# Altium PCB MOTHER_BOARD_LS1021_v1.0.PcbDoc (part 15 of 15)
Units mm, origin at the board's own origin, x right, y up, seen from the top; angles counter-clockwise.
Board outline 285 x 90.6 mm, 10 copper layers (TOP, GND1, SIGNAL1, GND+PWR1, POWER1, POWER2, GND+PWR2, SIGNAL2, GND2, BOTTOM), stack 1.739 mm thick; 1099 components, 832 nets, 4657 pads, 2737 vias.
Unrouted connection lines stored in the file: 7.
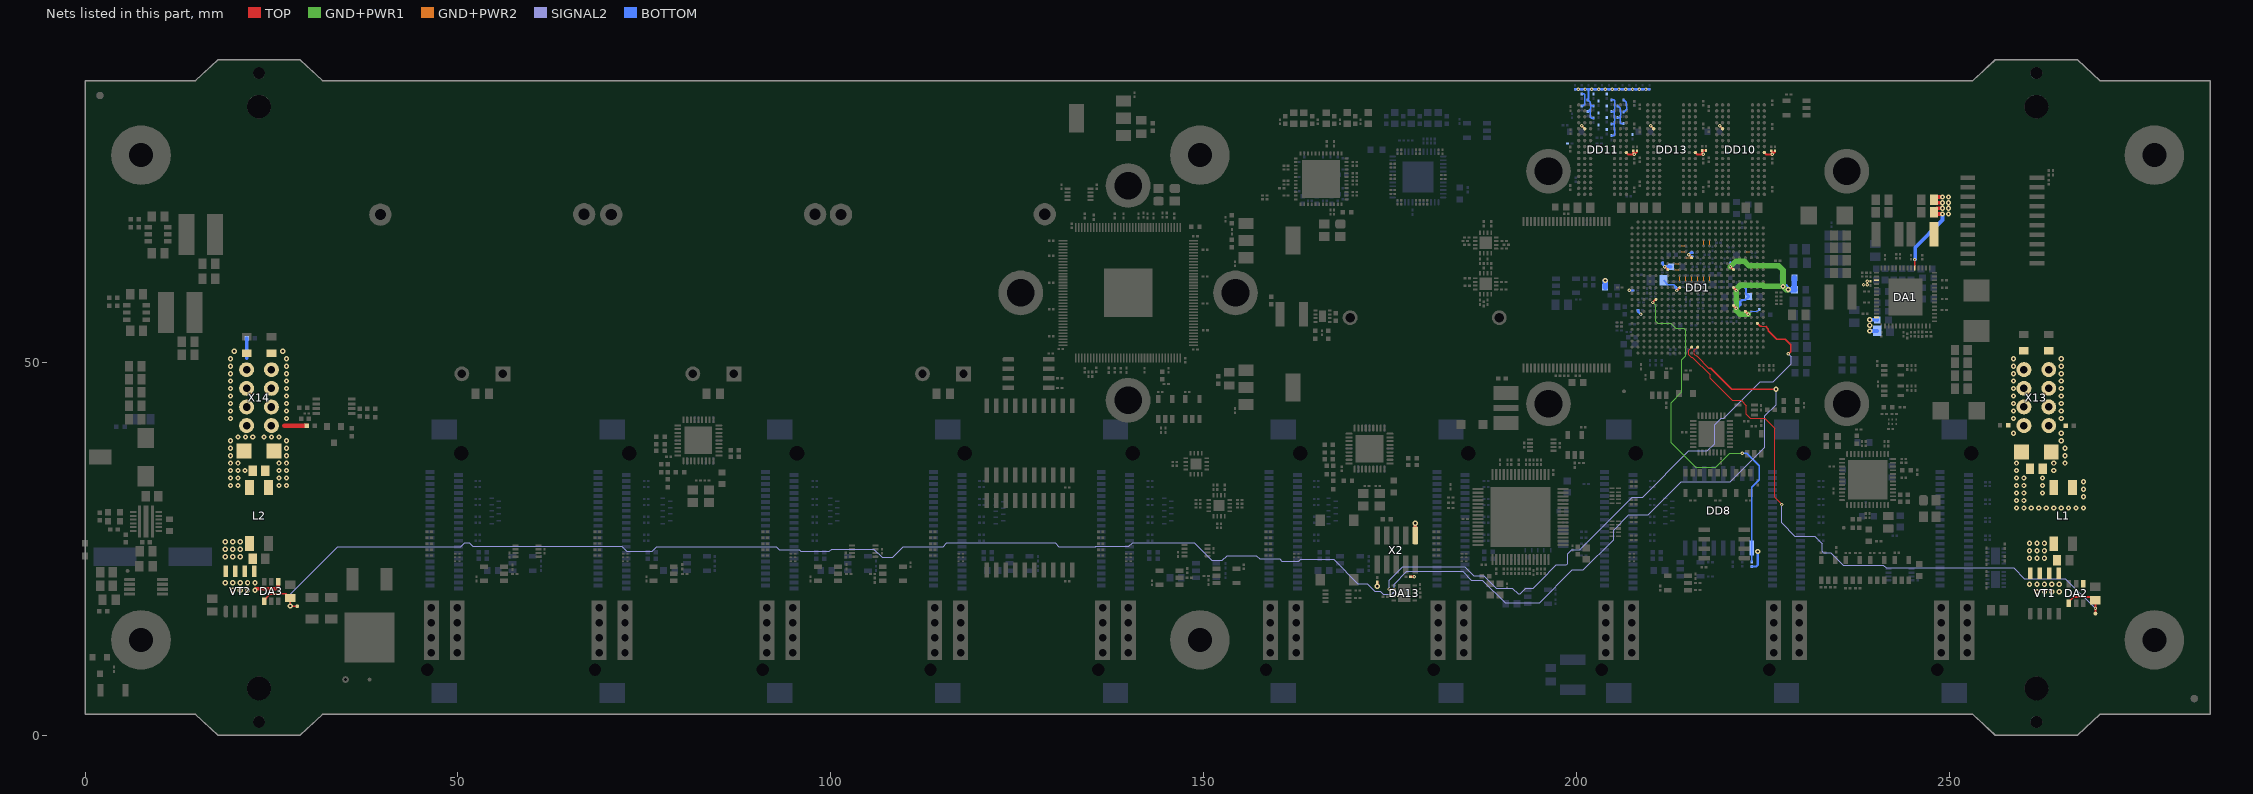
[diagram p23: the nets of this part, all layers, seen from the top]

## Via types
v1: diameter 0.45, hole 0.2, TOP to BOTTOM, tented both sides, 1587 vias
v2: diameter 0.7, hole 0.3, TOP to BOTTOM, tented both sides, 1134 vias
v3: diameter 0.45, hole 0.2, TOP to BOTTOM, tented bottom, 16 vias

## Nets (pads, with @x,y where several pads share a name; then routed paths per layer and width w, separated by ;. In a path a pad name is that pad's centre, name@x,y a point inside that pad or via, vN(x,y) a via of type N, cw(c..) or ccw(c..) an arc to the next point about the centre after c; other vN are vias at no path point) (continued)
VCC_OVDD: C61.2 C93.2 C99.2 C180.2 C188.2 DA1.41 DD1.G15 DD1.J12 R44.2 R46.2 R73.1 R77.1 R85.2 R86.2 R88.2 X2.1 | length 22.5
  TOP w0.3: v2(173.3,19.975) R88.2@173.3,20.575 ; R86.2@177.725,21.275 v1(178.25,21.275) ; v1(211.85,62.85) DD1.G15@212.25,62.45 ; v1(213.45,59.65) DD1.J12@213.85,60.05
  TOP w0.5: X2.1@178.39,26.8 v2(178.39,28.44)
  GND+PWR2 w0.13: 213.175,62.45 213.725,62.45 ; 213.189,63.25 213.739,63.25 ; 213.85,60.975 213.85,61.525 ; 213.975,64.85 214.525,64.85 ; 213.975,65.65 214.525,65.65 ; 214.65,60.975 214.65,61.525 ; 214.75,64.05 215.3,64.05 ; 215.45,60.975 215.45,61.525 ; 216.25,60.975 216.25,61.525 ; 217.05,60.975 217.05,61.525 ; 217.05,65.784 217.05,66.334 ; 217.85,60.975 217.85,61.525 ; 217.85,65.784 217.85,66.334 ; 222.75,64.85 223.3,64.85
  BOTTOM w0.2: C93.2@211.675,61 212.25,60.425 213.033,60.425 213.325,60.133 C99.2@213.325,60.075
  BOTTOM w0.3: v1(207.06,59.678) 207.05,59.668 207.05,59.65 R85.2@207.6,59.65 ; R73.1@208.25,57 208.25,56.85 v1(208.65,56.45) ; C188.2@211.575,63.375 211.575,63.125 v1(211.85,62.85) ; C99.2@213.325,60.075 213.45,59.95 v1(213.45,59.65) ; R77.1@223.5,22.65 224.125,22.65 224.325,22.85 v2(224.325,24.65)
  BOTTOM w0.5: v1(211.85,62.85) R44.2@212.65,62.85 ; v2(239.325,54.225) C180.2@240.35,54.225 ; v2(239.325,55.725) 240.325,55.725 C61.2@240.35,55.7
  BOTTOM w0.75: R46.2@203.85,60.1 v2(203.85,60.975)
  other v2: 239.325,54.975
VIN1: C25.2 DA2.1 L1.3 VT1.5 VT1.6 VT1.7 VT1.8
  other v2: 261.75,19.25 262.75,19.25 263.75,19.25 264.75,19.25 260.75,20.25 261.75,20.25 262.75,20.25 263.75,20.25 264.75,20.25 260.75,23.75 261.75,23.75 262.75,23.75 260.75,24.75 261.75,24.75 262.75,24.75 260.75,25.75 261.75,25.75 262.75,25.75
VIN1+: C14.2 L1.2 R29.2 RU1.2 VD1.2 X13.1
  other v2: 262.5,32.5 262.5,33.5 262.5,34.5 264,35.5 264,36.5 265.5,36.5 265.5,37.5 265.5,38.5 265,39.5 265,40.5 265,42.5 265,43.5 265,44.5 265,45.5 265,46.5 265,47.5 265,48.5 265,49.5 265,50.5
VIN1-: C14.1 L1.1 R31.2 RU2.1 VD1.1 X13.2
  other v2: 259,30.5 260,30.5 261,30.5 262,30.5 263,30.5 264,30.5 265,30.5 266,30.5 267,30.5 268,30.5 259,31.5 260,31.5 268,32 259,32.5 260,32.5 268,33 259,33.5 260,33.5 268,34 259,34.5 260,34.5 259,35.5 259,36.5 258.625,40.5 258.625,42.5 258.625,43.5 258.625,44.5 258.625,45.5 258.625,46.5 258.625,47.5 258.625,48.5 258.625,49.5 258.625,50.5
VIN1_STATE: DA2.4 DD1.L2 R5.1 TP1.1 | length 84.2
  TOP w0.149: DD1.L2@215.45,52.05 215.07,51.67 215.07,51.019 215.371,50.719 215.529,50.719 217.927,48.321 217.927,47.891 220.918,44.9 222.1,44.9 222.775,44.225 222.775,43.025 223.275,42.525 225.25,42.525 226.6,41.175 226.6,31.9 227.525,30.975 v1(227.525,30.95)
  TOP w0.25: DA2.4@266.05,17.725 266.05,17.893 266.707,18.55 269.175,18.55 R5.1@269.6,18.125
  TOP w0.3: TP1.1@269.6,16.325 R5.1@269.6,18.125
  SIGNAL2 w0.149: v1(227.525,30.95) 227.525,28.5 229.3,26.725 231.925,26.725 232.942,25.708 232.942,24.675 233.125,24.492 234.083,24.492 235.751,22.824 241.167,22.824 241.542,22.45 258.625,22.45 260.05,21.025 265.55,21.025 269.55,17.025 v1(269.6,17.025)
VIN2: C26.2 DA3.1 L2.3 VT2.5 VT2.6 VT2.7 VT2.8 | length 3.9
  TOP w0.5: v2(22.8,19.45) 23,19.65 25.575,19.65 25.9,19.975 DA3.1@25.9,20.6
  other v2: 19.8,19.45 20.8,19.45 21.8,19.45 18.8,20.45 19.8,20.45 20.8,20.45 21.8,20.45 22.8,20.45 18.8,23.95 19.8,23.95 20.8,23.95 18.8,24.95 19.8,24.95 20.8,24.95 18.8,25.95 19.8,25.95 20.8,25.95
VIN2+: C15.2 L2.2 R24.2 RU3.2 VD2.2 X14.2 | length 2.7
  BOTTOM w0.5: 21.671,50.564 R24.2@21.671,53.265
  other v2: 19.5,33.5 20.5,33.5 19.5,34.5 20.5,34.5 19.5,35.5 20.5,35.5 21.45,35.5 19.5,36.5 20.5,36.5 19.5,37.5 19.5,38.5 19.5,39.5 20.5,40 21.5,40 22.5,40 19.5,42.5 19.5,43.5 19.5,44.5 19.5,45.5 19.5,46.5 19.5,47.5 19.5,48.5 19.5,49.5 19.5,50.5 20,51.5
VIN2-: C15.1 L2.1 R27.2 RU4.1 VD2.1 X14.1 | length 3
  TOP w0.6: 26.685,41.51 R27.2@29.725,41.51
  other v2: 26,33.5 27,33.5 26,34.5 27,34.5 26,35.5 27,35.5 26,36.5 27,36.5 27,37.5 27,38.5 27,39.5 24,40 25,40 26,40 27,42.5 27,43.5 27,44.5 27,45.5 27,46.5 27,47.5 27,48.5 27,49.5 27,50.5 26.5,51.5
VIN2_STATE: DA3.4 DD1.M2 R6.1 TP2.1 | length 250.3
  TOP w0.149: DD1.M2@216.25,52.05 215.829,51.629 215.829,51.134 216.093,50.87 216.155,50.87 217.775,49.25
  TOP w0.196: DA3.4@24,18 24,18.13 24.797,18.927 25.323,18.927 25.394,18.998 26.902,18.998 R6.1@27.5,18.4 v2(27.501,17.326) v2(27.501,17.326) ; v2@27.502,17.325 TP2.1@28.45,17.325 ; 217.775,49.25 218,49.25 220.85,46.4 v2(226.775,46.4)
  SIGNAL2 w0.113: v2(27.501,17.326) 27.5,18.925 33.893,25.318 50.402,25.318 50.89,25.806 51.519,25.806 52,25.325 72,25.325 72.625,24.7 76.075,24.7 76.675,25.3 92.7,25.3 93.1,24.9 95.784,24.9 96.009,24.675 99.807,24.675 100.107,24.975 105.775,24.975 106.875,23.875 108.3,23.875 109.743,25.318 115.093,25.318 115.581,25.806 130.117,25.806 130.605,25.318 135.508,25.318 135.515,25.325 139.95,25.325 140.475,25.85 148.725,25.85 151.124,23.451 152.501,23.451 153.15,24.1 157.05,24.1 157.5,23.65 160.2,23.65 160.49,23.36 162.76,23.36 163,23.6 167.45,23.6 170.7,20.35 171.925,20.35 172.975,19.3 173.7,19.3 174.093,18.907 175.207,18.907 175.565,19.265 175.565,20.265 177.275,21.975 184.743,21.975 185.893,20.825 187.4,20.825 190.425,17.8 195.075,17.8 199.45,22.175 200.925,22.175 205,26.25 205,27.525 207.031,29.556 209.631,29.556 214.075,34 220.639,34 225.25,38.611 225.25,42.825 226.775,44.35 v2(226.775,46.4) ; v2@27.501,17.251 v2(27.501,17.326)
VREF_DDR: C55.2 C214.2 C215.2 C218.2 C219.2 C222.2 C223.2 C239.2 C243.2 DA1.31 DD1.L17 DD10.H1 DD10.M8 DD11.H1 DD11.M8 DD13.H1 DD13.M8 | length 10.3
  TOP w0.3: v1(200.7,81.75) DD11.M8@201.1,81.35 ; DD11.H1@206.7,78.15 206.95,77.9 v1(207.75,77.9) ; C223.2@207.625,78.375 207.625,78.025 v1(207.75,77.9) ; C219.2@208.125,78.375 208.125,78.275 v1(207.75,77.9) ; v1(209.95,81.75) DD13.M8@210.35,81.35 ; v1(215.05,64.45) DD1.L17@215.45,64.05 ; DD13.H1@215.95,78.15 216.2,77.9 v1(217,77.9) 216.875,78.025 C243.2@216.875,78.425 C239.2@217.375,78.425 ; v1(219.2,81.75) DD10.M8@219.6,81.35 ; DD10.H1@225.2,78.15 225.45,77.9 v1(226.25,77.9) ; C222.2@226.125,78.375 226.25,78.25 v1(226.25,77.9) ; C218.2@226.625,78.375 226.625,78.275 v1(226.25,77.9)
  BOTTOM w0.3: C215.2@215.525,64.2 215.3,64.2 v1(215.05,64.45) 215.3,64.7 C214.2@215.525,64.7
  other v1: 238.5,60.4 238.975,60.4 238.975,60.875
VTT_DDR: C31.2 C35.2 C253.2 C254.2 C255.2 C256.2 C257.2 C258.2 C259.2 C260.2 C261.2 C262.2 C263.2 C264.2 DA1.19 L6.2 R100.2 R101.2 R102.2 R103.2 R104.2 R105.2 R106.2 R107.2 R108.2 R109.2 R110.2 R111.2 R112.2 R113.2 R114.2 R115.2 R116.2 R117.2 R118.2 R119.2 R120.2 R121.2 R122.2 R123.2 R124.2 | length 41.3
  TOP w0.25: DA1.19@245.375,62.65 v1(245.375,63.8)
  TOP w0.5: C31.2@248.3,69.925 v2(249.1,69.925) ; C31.2@248.3,70.675 v2(249.1,70.675) ; C35.2@248.3,71.425 v2(249.1,71.425) ; C35.2@248.3,72.175 v2(249.1,72.175)
  BOTTOM w0.2: R107.2@200.7,84.425 200.912,84.425 201.125,84.638 201.125,85.9 201,86.025 R111.2@200.7,86.025 ; R101.2@201.5,83.625 201.576,83.625 201.875,83.924 ; R109.2@201.5,85.225 201.533,85.225 201.85,84.908 201.85,84.724 201.925,84.649 201.925,84.428 ; R118.2@202.3,82.775 202.05,82.775 201.875,82.95 201.875,83.924 ; R104.2@202.3,84.425 201.928,84.425 201.925,84.428 ; R119.2@204.7,80.425 204.975,80.425 205.125,80.575 205.125,81.126 205.075,81.176 205.075,82.324 205.125,82.374 205.125,82.726 205.075,82.776 205.075,83.635 ; R121.2@204.7,82 205.073,82 ; R103.2@204.7,83.625 205.065,83.625 205.075,83.635 ; R112.2@204.7,85.225 204.975,85.225 205.125,85.075 205.125,83.974 205.075,83.924 205.075,83.635 ; R100.2@205.5,82.825 205.874,82.825 ; R108.2@205.5,84.425 205.533,84.425 205.85,84.108 205.85,84.075 205.85,83.601 205.925,83.526 205.925,83.174 205.875,83.124 205.875,82.175 206.025,82.025 R122.2@206.3,82.025 ; R106.2@206.3,83.6 206.4,83.6 206.725,83.925 206.725,84.326 206.65,84.401 206.65,84.875 206.65,84.908 206.333,85.225 R110.2@206.3,85.225 ; 201.875,83.924 201.925,83.974 201.925,84.428
  BOTTOM w0.3: C253.2@199.8,86.625 v1(200.25,86.625) C254.2@200.7,86.625 v1(201.15,86.625) C255.2@201.625,86.625 ; R109.2@201.5,85.225 201.625,85.35 C255.2@201.625,86.625 ; C264.2@209.8,86.625 v1(209.325,86.625) C263.2@208.875,86.625 v1(208.425,86.625) C262.2@207.975,86.625 v1(207.525,86.625) C261.2@207.075,86.625 v1(206.625,86.625) C260.2@206.175,86.625 v1(205.7,86.625) C259.2@205.25,86.625 v1(204.8,86.625) C258.2@204.35,86.625 v1(203.875,86.625) C257.2@203.425,86.625 v1(202.975,86.625) C256.2@202.525,86.625 v1(202.075,86.625) C255.2@201.625,86.625
  BOTTOM w0.5: v1(245.375,63.8) 245.45,63.875 245.45,65.45 249.1,69.1 v2(249.1,69.925)
  other v2: 249.9,69.925 249.9,70.675 249.9,71.425 249.9,72.175
WDT_CLK: DD1.E10 DD8.1 R77.2 | length 51.6
  TOP w0.25: v1(210.25,58.05) DD1.E10@210.65,58.45
  GND+PWR1 w0.113: v1(210.25,58.05) 210.631,57.668 210.631,55.529 210.892,55.268 212.632,55.268 213.325,54.575 214.362,54.575 214.65,54.287 214.65,50.875 214.143,50.368 214.143,46.068 212.7,44.625 212.7,39.25 215.987,35.963 218.714,35.963 220.578,37.827 v1(222.236,37.827)
  BOTTOM w0.196: v1(222.236,37.827) 222.848,37.827 224.5,36.175 224.5,34.296 223.502,33.298 223.502,25.107 DD8.1@223.495,25.1 223.495,23.255 R77.2@223.5,23.25
WDT_RESET: DA13.7 DD1.AB6 | length 81.8
  TOP w0.14: 224.877,54.85 225.36,54.85
  TOP w0.149: v1(174.9,19.575) DA13.7@175.525,19.575
  TOP w0.196: 225.36,54.85 225.75,54.46 225.75,54.225 226.875,53.1 228.025,53.1 228.75,52.375 228.75,51.45 228.452,51.152 v1(228.411,51.152)
  TOP w0.2: DD1.AB6@224.25,55.25 224.65,54.85 224.877,54.85
  SIGNAL2 w0.113: v1(174.9,19.575) 174.9,20.814 176.686,22.6 185,22.6 186.203,21.397 187.562,21.397 189.222,19.737 191.416,19.737 192.165,18.988 192.481,18.988 193.23,19.737 194.187,19.737 195.184,20.734 195.184,20.748 197.285,22.85 198.65,22.85 198.825,23.025 198.825,24.341 199.359,24.875 200.435,24.875 207.516,31.956 208.881,31.956 215.075,38.15 217.55,38.15 218.525,39.125 218.525,41.614 219.411,42.5 219.775,42.5 224.675,47.4 226.4,47.4 228.825,49.825 228.825,50.739 v1(228.411,51.152)
X1VDD: C122.2 C129.2 C143.2 C156.2 C168.2 C176.2 DD1.V9 DD1.V12 DD1.V15 DD1.Y8 L16.1 R213.2 | length 35.9
  TOP w0.3: v1(220.65,62.85) DD1.V15@221.05,62.45 ; DD1.V9@221.05,57.65 v1(221.45,57.25) ; DD1.V12@221.05,60.05 v1(221.45,59.65) ; DD1.Y8@222.65,56.85 v1(223.05,56.45)
  GND+PWR1 w0.75: v1(220.65,62.85) 221.35,63.55 222.54,63.55 223.14,62.95 227.125,62.95 227.7,62.375 v2(227.7,60.2) ; v1(223.05,56.45) 221.95,56.45 221.45,56.95 v1(221.45,57.25) v1(221.45,59.65) 221.45,59.84 221.96,60.35 225.025,60.35 225.175,60.2 v2(227.7,60.2) ; v2(228.393,59.775) 228.125,59.775 v2(227.7,60.2)
  BOTTOM w0.14: v1(223.05,56.45) 223.445,56.845 224.245,56.845 224.395,56.995 224.42,56.995 224.5,57.075 C122.2@224.5,57.1
  BOTTOM w0.3: v1(220.65,62.85) C143.2@220.65,63.375 ; v1(221.45,57.25) 221.525,57.25 221.975,57.7 C129.2@221.975,57.775 221.975,58.15 222.2,58.375 222.65,58.375 223.125,58.85 222.725,59.25 222.725,59.925 C168.2@222.2,60.45 221.925,60.175 C156.2@221.45,60.175 v1(221.45,59.65)
  BOTTOM w0.75: v2(227.7,60.2) 227.968,60.2 v2(228.393,59.775) L16.1@229.225,59.775 ; L16.1@229.225,59.75 L16.1@229.225,59.775 ; R213.2@229.225,61.35 L16.1@229.225,59.775 ; L16.1@229.25,59.775 L16.1@229.225,59.775
pads on no net: "Designator11.WA-SMSI M2.5" "Designator12.WA-SMSI M2.5" "Designator13.WA-SMSI M2.5" "Designator14.WA-SMSI M2.5" "Designator16.WA-SMSI M2.5" "Designator17.WA-SMSI M2.5" "Designator18.WA-SMSI M2.5" "Designator19.WA-SMSI M2.5" BQ1.2 BQ1.4 BQ2.2 BQ2.4 BQ3.2 BQ3.4 BQ5.2 BQ5.4 BQ6.2 BQ6.4 C80.3 C80.4 C84.3 C84.4 C87.3 C87.4 DA1.0 DA1.1 DA1.2 DA1.3 DA1.6 DA1.16 DA1.33 DA1.42 DA1.44 DA1.45 DA1.46 DA4.2 DA4.6 DA4.7 DA5.0 DA5.4 DA5.5 DA6.4 DA7.4 DA8.4 DA13.0 DA22.3 DD1.A2 DD1.A4 DD1.A17 DD1.AB23 DD1.B2 DD1.B4 DD1.B17 DD1.C8 DD1.C9 DD1.C10 DD1.C11 DD1.C12 DD1.C13 DD1.C14 DD1.C15 DD1.C18 DD1.D8 DD1.D9 DD1.D11 DD1.D12 DD1.D13 DD1.D15 DD1.D16 DD1.E13 DD1.E14 DD1.F13 DD1.F18 DD1.F19 DD1.G14 DD1.G16 DD1.G17 DD1.G18 DD1.H1 DD1.H2 DD1.H16 DD1.H19 DD1.J17 DD1.L6 DD1.M6 DD1.N17 DD1.P1 DD1.P2 DD1.P3 DD1.P5 DD1.R19 DD1.T10 DD1.T18 DD1.U7 DD1.U15 DD1.U16 DD1.U17 DD1.U18 DD1.U22 DD1.V7 DD1.V8 DD1.V16 DD1.V17 DD1.W8 DD1.W10 DD1.W11 DD1.W16 DD1.W17 DD1.W22 DD1.W23 DD1.Y10 DD1.Y11 DD1.Y16 DD2.0 DD2.4 DD2.5 DD2.6 DD2.10 DD2.17 DD2.18 DD2.25 DD2.26 DD2.29 DD2.30 DD2.31 DD2.32 DD2.35 DD2.36 DD2.37 DD2.38 DD3.1 DD4.1 DD5.1 DD8.4 DD10.J1 DD10.J9 DD10.L1 DD10.L9 DD11.A2 DD11.A3 DD11.A7 DD11.B7 DD11.B8 DD11.C2 DD11.C3 DD11.C7 DD11.C8 DD11.D3 DD11.D7 DD11.G2 DD11.H3 DD11.H7 DD11.H8 DD11.J1 DD11.J9 DD11.L1 DD11.L9 DD12.1 DD13.J1 DD13.J9 DD13.L1 DD13.L9 DD14.1 DD14.2 DD14.3 DD14.4 DD14.5 DD14.11 DD14.14 DD14.15 DD14.20 DD14.21 DD14.22 DD14.23 DD14.24 DD14.26 DD14.27 DD14.28 DD14.33 DD14.35 DD14.38 DD14.40 DD14.45 DD14.46 DD14.47 DD15.0 DD15.11 DD16.0 DD16.11 DD17.0 DD17.8 DD17.15 DD17.16 DD17.24 DD17.25 DD18.1 DD24.0 DD24.14 DD24.18 DD24.31 DD24.39 DD24.40 DD24.45 DD24.46 DD24.47 DD25.1 DD26.1 DD27.1 DD28.1 DD29.17 DD30.17 DD34.3 DD34.10 DD34.11 DD34.13 DD34.15 DD34.22 DD34.23 DD34.25 DD34.26 DD34.27 DD34.28 DD34.29 DD34.35 DD34.77 DD34.78 DD34.79 DD34.83 DD36.0 DD36.38 DD36.41 DD36.43 DD46.11 Designator1.1 Designator1.2 F1.2 VD5.3 VD5.5 VD6.3 VD6.5 VD7.3 VD7.5 VD8.3 VD8.5 VD9.3 VD9.5 VD10.3 VD10.5 VD11.3 VD11.5 VD12.3 VD12.5 VD24.2 VD24.4 VD24.6 VD24.8 VD24.10 VD25.1 VD25.2 VD25.3 VD25.4 VD25.6 VD25.8 VD25.10 X2.7 X3.0 X3.MO X4.0 X4.MO X5.0 X5.3 X5.MO X6.0 X6.MO X7.0 X7.MO X8.0 X8.MO X9.0 X9.MO X10.0 X10.MO X11.0 X11.MO X12.0 X12.MO

## Polygon pours and split planes (outlines as drawn)
GND on GND+PWR1 "GND_L04_P038" (solid, remove dead copper, pour order 38): 45 vertices, not listed, extent 0.4,15.85 284.6,90.2
+LVDD on GND+PWR1 "+LVDD_L04_P020" (solid, remove dead copper, pour order 20): 160.225,84.25 160.225,52.075 139.85,31.7 60.95,31.7 57.95,28.675 57.95,18.975 243.375,18.926 243.375,84.25 178.051,84.25
VCC_O1VDD on GND+PWR1 "VCC_O1VDD_L04_P015" (solid, remove dead copper, pour order 15): 27 vertices, not listed, extent 167.561,17.522 251.386,87.422
+5V on GND+PWR2 "+5V_L07_P016" (solid, remove dead copper, pour order 16): 44 vertices, not listed, extent 0.4,16.225 284.6,90.2
VCC_OVDD on GND+PWR2 "VCC_OVDD_L07_P013" (solid, remove dead copper, pour order 13): 24 vertices, not listed, extent 172.225,19.525 255.225,68.1
GND on BOTTOM "GND_L10_P042" (solid, remove dead copper, pour order 42): 45 vertices, not listed, extent 0.4,15.85 284.6,90.2
VTT_DDR on BOTTOM "VTT_DDR_L10_P014" (solid, remove dead copper, pour order 14): 212.125,86.8 212.125,79.05 208.95,75.875 201.35,75.875 196.725,80.5 196.725,83.875 199.65,86.8
GND on SIGNAL1 "GND_L03_P024" (solid, remove dead copper, pour order 24): 45 vertices, not listed, extent 0.4,15.85 284.6,90.2
GND on SIGNAL2 "GND_L08_P040" (solid, remove dead copper, pour order 40): 45 vertices, not listed, extent 0.4,15.85 284.6,90.2
GND on TOP "GND_L01_P028" (solid, remove dead copper, pour order 28): 45 vertices, not listed, extent 0.4,15.85 284.6,90.2
GND on GND1 (split plane): 134 vertices, not listed, extent 0.402,15.852 284.598,90.198
AGND on GND1 (split plane): 128 vertices, not listed, extent 0.402,0.402 284.598,52.198
SHIELD on GND1 (split plane): 51 vertices, not listed, extent 197.152,0.402 284.598,19.437
+1V8 on POWER1 (split plane): 124 vertices, not listed, extent 141.318,27.652 248.673,85.798
PVIN on POWER1 (split plane): 144 vertices, not listed, extent 0.402,0.402 284.598,67.998
+3V3 on POWER1 (split plane): 151 vertices, not listed, extent 0.402,15.852 284.598,90.198
+1V5 on POWER1 (split plane): 26 vertices, not listed, extent 129.727,49.177 153.198,69.723
P0_AVDDH on POWER1 (split plane): 20 vertices, not listed, extent 166.258,70.052 170.748,81.673
P0_DVDDL on POWER1 (split plane): 20 vertices, not listed, extent 161.177,70.052 168.598,81.673
+CPU_VDDC on POWER1 (split plane): 48 vertices, not listed, extent 213.152,49.752 240.523,74.656
SHIELD on POWER1 (split plane): 51 vertices, not listed, extent 197.152,0.402 284.598,19.437
NetC191_2 on POWER1 (split plane): 244.073,37.008 244.073,29.842 243.77,29.539 237.88,29.539 234.052,33.367 234.052,36.858 236.242,39.048 242.033,39.048
eth_1V8 on POWER1 (split plane): 177.773,71.892 176.953,71.072 176.931,71.039 176.923,71 176.923,69.777 175.917,69.777 175.377,70.317 175.377,81.823 177.773,81.823
eth_AVDDH on POWER1 (split plane): 175.173,72.687 173.408,72.687 173.227,72.867 173.227,81.358 173.692,81.823 175.173,81.823
eth_DVDDH on POWER1 (split plane): 180.584,81.697 185.998,76.283 185.998,71.592 183.108,68.702 177.127,68.702 177.127,69.675 177.127,70.958 177.947,71.778 177.969,71.811 177.977,71.85 177.977,81.823 180.458,81.823
VCC_DDR on POWER1 (split plane): 41 vertices, not listed, extent 193.552,57.727 238.548,86.348
+1V1 on POWER2 (split plane): 61 vertices, not listed, extent 131.152,49.352 182.219,87.398
PVIN on POWER2 (split plane): 144 vertices, not listed, extent 0.402,0.402 284.598,67.998
+2V5 on POWER2 (split plane): 266 vertices, not listed, extent 0.402,15.852 284.598,90.198
P0_DVDDH on POWER2 (split plane): 168.798,70.759 168.091,70.052 161.992,70.052 161.077,70.967 161.077,76.9 161.069,76.939 161.047,76.972 159.802,78.217 159.802,81.558 160.092,81.848 168.798,81.848
P0_AVDDL on POWER2 (split plane): 172.048,81.083 172.048,73.567 171.317,72.836 169.002,72.836 169.002,81.848 171.283,81.848
eth_1V0 on POWER2 (split plane): 183.573,81.283 183.573,72.392 181.233,70.052 176.667,70.052 174.052,72.667 174.052,79.183 176.792,81.923 182.933,81.923
HDMI_DVDD on POWER2 (split plane): 198.573,33.608 198.573,22.542 196.283,20.252 188.292,20.252 187.697,20.847 186.777,21.767 186.777,33.733 188.192,35.148 197.033,35.148
SHIELD on POWER2 (split plane): 51 vertices, not listed, extent 197.152,0.402 284.598,19.437
+CPU_VDD on POWER2 (split plane): 24 vertices, not listed, extent 213.927,44.427 255.406,63.148
TA_BB_VDD on POWER2 (split plane): 17 vertices, not listed, extent 218.702,51.602 228.773,55.948
VREF_DDR on POWER2 (split plane): 18 vertices, not listed, extent 198.954,59.327 247.749,82.848
VTT_DDR on POWER2 (split plane): 251.073,68.942 250.833,68.702 246.567,68.702 246.227,69.042 246.227,73.925 246.219,73.964 246.197,73.997 237.172,83.022 237.139,83.044 237.1,83.052 198.954,83.052 198.954,87.398 251.073,87.398
GND on GND2 (split plane): 134 vertices, not listed, extent 0.402,15.852 284.598,90.198
AGND on GND2 (split plane): 128 vertices, not listed, extent 0.402,0.402 284.598,52.198
SHIELD on GND2 (split plane): 51 vertices, not listed, extent 197.152,0.402 284.598,19.437

## Keep-outs
Keep-Out Layer:
  the board outline again, w0.1

## Other copper
TOP:
  rectangle net +3V3: 7.025,38.5 9.225,50.2
  rectangle net +3V3: 9.6,42 11.575,50.2
  rectangle net VCC_DDR: 232.3,61.55 233.125,67.7
  rectangle net +2V5: 16,50.1 17.425,53.65
  rectangle net +5V: 18.775,60.325 20.2,63.875
  rectangle net +5V: 166.975,57.5 168.5,58.975
  rectangle net VTT_DDR: 248.725,69.55 250.275,72.55
  rectangle net +CPU_VDD: 253.875,45.675 255.6,52.475
  rectangle net +1V5: 151.65,66.025 153.15,67.525
  rectangle net +1V1: 157.95,54.775 159.45,57.125
  region net +CPU_VDDC: 239.4,72.55 237.85,72.55 237.85,69.55 239.4,69.55
  rectangle net +1V8: 149.925,45.45 151.425,47.675
  rectangle net HDMI_5V: 186.811,40.943 192.25,42.309
  rectangle net HDMI_DVDD: 187.797,21.671 188.798,22.573
  rectangle net USB1_VBUS: 167.1,33.825 167.7,35.325
  rectangle net USB_ULPI_PWR: 77.85,34.05 78.45,35.55
  rectangle net GND: 0.425,37.775 3.575,40.675
  region net AGND: 3.575,37 0.45,37 0.45,33.925 3.575,33.925
  pour cut-out: 0.5,85.8 ccw(c2,85.8) 2,84.3 ccw(c2,85.8) 3.5,85.8 ccw(c2,85.8) 2,87.3 ccw(c2,85.8)
  pour cut-out: 281.35,4.925 ccw(c282.85,4.925) 282.85,3.425 ccw(c282.85,4.925) 284.35,4.925 ccw(c282.85,4.925) 282.85,6.425 ccw(c282.85,4.925)
  region net +3V3: 197.25,49.875 197.5,49.875 197.5,48.025 198.125,47.4 198.575,47.4 198.75,47.575 198.75,48.075 198.75,49.875 199.05,49.875 199.05,48.625 199.15,48.525 199.7,48.525 199.75,48.575 199.75,49.875 200.05,49.875 200.05,47.075 199.9,46.925 198.25,46.925 197.05,48.125 197.05,48.425 197.25,48.625
  region net VCC_DDR: 234.45,57.125 234.45,60.65 235.1,61.3 235.1,67.725 233.3,67.725 233.3,57.125
  region net +2V5: 13.6,59.45 13.6,53.975 14.125,53.45 14.125,50.1 15.75,50.1 15.75,59.45
  region net AGND: 25.25,20.1 25.25,21.375 26.6,21.375 26.6,26.325 26.2,26.725 24.025,26.725 23.675,26.375 23.675,20.1
  region net AGND: 7.875,23.975 3.425,23.975 3.075,24.325 3.075,27.9 3.675,27.9 3.675,27.1 4.45,26.325 5.8,26.325 6.4,26.925 6.7,26.925 7.125,27.35 7.125,29.275 6.025,29.275 6.025,29.575 7.125,29.575 7.125,30.15 6.65,30.625 4.625,30.625 4.625,32.425 6.875,32.425 7,32.3 7,31.35 7.525,30.825 7.525,26.55 7.875,26.2
  region net AGND: 114.725,45.1 114.725,48.475 113.6,49.6 111.375,49.6 111.05,49.275 111.05,45.975 111.925,45.1
  region net NetC80_2: 84.6,45.1 84.6,48.45 85.75,49.6 88.05,49.6 88.175,49.475 88.175,45.675 87.6,45.1
  region net NetC80_2: 52.925,45.1 52.925,48.475 51.8,49.6 49.575,49.6 49.25,49.275 49.25,45.975 50.125,45.1
  region net AGND: 267.3,19.825 267.3,21.175 268.55,21.175 268.55,26.125 267.975,26.7 265.9,26.7 265.625,26.425 265.625,19.825
  region net PVIN: 9.225,30.825 9.225,27.75 9.4,27.575 10.3,27.575 10.3,27.1 10.9,26.5 15.675,26.5 16.125,26.05 16.125,17.4 16.375,17.15 17.75,17.15 18.025,17.425 18.075,17.375 21.725,17.375 21.725,15.825 21.95,15.6 24.625,15.6 25.6,16.575 25.6,18.5 26.2,18.5 26.2,16.575 26.575,16.2 41.5,16.2 41.5,8.9 13.4,8.9 11.925,10.375 11.925,20.175 11.4,20.7 9.2,20.7 8.175,21.725 8.175,25.975 8.375,26.175 8.475,26.175 8.825,26.525 8.825,30.825
  region net PVIN: 11.925,67.825 11.925,72.65 11.4,73.175 1.525,73.175 0.475,72.125 0.475,60.3 0.6,60.175 4.825,60.175 5.625,60.975 6.55,60.975 7.2,60.325 7.2,57.85 7.7,57.35 8.7,57.35 9.125,57.775 9.125,62.6 5.2,66.525 5.2,70.625 10.075,70.625 10.075,67.825
  region net PVIN: 263.725,15.525 264.15,15.1 266.4,15.1 267.65,16.35 267.65,18.225 268.25,18.225 268.25,12.625 267.725,12.1 257,12.1 256.675,12.425 256.675,17.675 256.875,17.875 263.25,17.875 263.725,17.4
  region net +5V: 16.375,69.95 16.375,64.2 16.9,63.675 16.9,60.325 18.525,60.325 18.525,69.95
  region net +5V: 156.675,43.6 156.675,45.3 151.65,45.3 151.65,44.225 154.675,44.225 154.675,43.6
  region net +5V: 166.65,57.075 168.025,57.075 168.025,56.325 166.65,56.325
  region net +5V: 156.675,63.3 156.675,64.9 151.65,64.9 151.65,63.925 154.675,63.925 154.675,63.3
  region net +5V: 138.275,85.8 138.275,84.1 143.3,84.1 143.3,85.175 140.275,85.175 140.275,85.8
  region net VTT_DDR: 248.55,65.525 248.5,65.575 248.5,72.525 247.337,72.525 247.337,65.525
  region net +CPU_VDD: 255.425,55.65 251.925,55.65 251.925,53.125 251.575,52.775 251.575,42.325 253.625,42.325 253.625,52.725 255.425,52.725
  region net +LVDD: 241,62.325 241,63.075 240.55,63.525 238.825,63.525 238.675,63.375 238.675,62.375 240.575,62.375 240.625,62.325
  region net P0_DVDDH: 162.575,82.45 160.825,82.45 160.55,82.175 160.1,82.175 160.1,81.55 162.575,81.55
  region net VCC_O1VDD: 242,62.3 242,63.55 242.1,63.65 242.1,64.675 242,64.775 241.75,64.775 241.65,64.675 241.65,63.625 241.75,63.525 241.75,62.3
  region net +1V5: 153.5,67.425 156.6,67.425 156.675,67.35 156.675,65.6 154.55,65.6 154.175,65.975 153.5,65.975
  region net VREF_DDR: 240.6,61.15 238.975,61.15 238.225,60.4 238.225,60.075 239.05,60.075 239.2,60.225 239.2,60.6 239.3,60.7 239.65,60.7 239.775,60.825 240.6,60.825
  region net VCC_OVDD: 240.6,56.15 239.15,56.15 238.9,55.9 238.9,54.1 239.175,53.825 239.55,53.825 239.75,54.025 239.75,55.625 239.975,55.85 240.6,55.85
  region net P0_DVDDL: 162.925,82.45 164.836,82.45 165.111,82.175 165.45,82.175 165.45,81.8 165.35,81.7 164.075,81.7 163.925,81.55 162.925,81.55
  region net +CPU_VDDC: 239.575,65.525 239.575,72.525 240.788,72.525 240.788,65.525
  region net P0_AVDDH: 165.925,82.45 167.875,82.45 168.125,82.2 168.425,82.2 168.425,81.725 167.1,81.725 166.925,81.55 165.925,81.55
  region net +1V8: 156.675,47.4 156.625,47.45 151.675,47.45 151.675,45.9 156.675,45.9
  region net VIN1-: 261.3,51.275 261.3,31.925 261.625,31.6 265.075,31.6 265.675,32.2 265.675,34.3 266.125,34.75 267.85,34.75 268.35,34.25 268.35,29.825 267.7,29.175 259.575,29.175 258.075,30.675 258.075,51.275
  region net VIN1+: 261.975,51.275 265.525,51.275 265.9,50.9 265.9,36.35 265.05,35.5 265.05,32.425 264.675,32.05 262.25,32.05 261.975,32.325
  region net VIN2-: 24.128,51.925 23.628,51.425 23.628,32.25 27.103,32.25 27.553,32.7 27.553,51.425 27.053,51.925
  region net VIN2+: 22.525,51.925 23.025,51.425 23.025,32.25 19.55,32.25 19.1,32.7 19.1,51.425 19.6,51.925
  region net P0_AVDDL: 168.75,82.475 170.625,82.475 170.9,82.2 171.2,82.2 171.2,81.575 168.75,81.575
  region net HDMI_DVDD: 188.225,21.625 188.7,21.625 188.75,21.575 188.75,19.875 187.95,19.875 187.95,21.625
  region net VIN1: 265.2,26.7 265.2,19.85 265.575,19.475 267.325,19.475 267.6,19.75 267.6,20.85 268.25,20.85 268.25,19.475 267.65,18.875 259.925,18.875 259.925,26.7
  region net VIN2: 23.25,26.9 23.25,20.05 23.25,19.125 17.975,19.125 17.975,26.9
  region net +L1VDD: 240.6,57.15 239.1,57.15 238.95,57.3 238.175,57.3 238.075,57.2 238.075,56.95 238.175,56.85 240.575,56.85 240.6,56.875
  region net NetC80_1: 41.25,31.824 48.676,39.25 56.575,39.25 58.9,41.575 58.9,49.225 58.45,49.675 53.625,49.675 53.625,45.125 52.85,44.35 44.775,44.35 33.775,33.35 33.775,25.2 29.575,21 29.575,17.9 40.275,17.9 41.25,18.875
  region net +1V2: 138.275,81.775 146.625,81.775 150.625,85.775 162.575,85.775 162.925,85.425 162.925,83.025 163.925,83.025 163.925,84.775 165.05,85.9 167.625,85.9 168.75,84.775 168.75,83.075 169.7,83.075 169.7,84.2 169.975,84.475 171.1,84.475 171.55,84.025 171.55,83.075 172.55,83.075 172.55,86.475 171.525,87.5 147.1,87.5 143.1,83.5 138.275,83.5
  region net NetC83_2: 39.2,44.075 36.35,44.075 36.275,44 35.25,44 35.25,43.475 39.2,43.475
  region net NetC506_1: 260.775,75.075 262.925,75.075 263.175,75.325 264.075,75.325 264.075,74.25 263,74.25 262.775,74.475 260.775,74.475
  region net NetC68_1: 152.775,69.1 154.375,69.1 154.675,69.4 156.675,69.4 156.675,67.9 156.4,67.625 153,67.625 152.775,67.85
  region net NetC81_1: 10.6,67.475 11.95,67.475 12.325,67.85 12.325,69.75 12.5,69.925 14.65,69.925 14.65,64.425 14.15,63.925 10.1,63.925 10.1,65.325 11.4,65.325 11.875,65.8 11.875,66.6 11.575,66.9 10.6,66.9
  region net NetC82_1: 7.7,57 9.05,57 9.425,57.375 9.425,59.275 9.6,59.45 11.925,59.45 11.925,53.8 11.575,53.45 7.2,53.45 7.2,54.975 8.625,54.975 8.975,55.325 8.975,56.125 8.7,56.4 7.7,56.4
  region net NetC62_1: 8.525,26.525 8.525,30.825 8.975,31.275 8.975,33.15 9.225,33.4 9.225,36.1 7.025,36.1 7.025,33.4 7.275,33.15 7.275,31.375 7.825,30.825 7.825,26.525
  region net NetC84_2: 83.9,45.1 83.9,49.95 86.075,52.125 112.35,52.125 115.425,49.05 115.425,45.1 116.5,45.1 119.675,48.275 119.675,52.875 115.3,57.25 82.675,57.25 79.375,53.95 79.375,46.775 81.05,45.1
  region net NetDA9_2: 165.25,56.575 164.75,56.575 164.55,56.775 164.55,57.775 164.225,58.1 162.775,58.1 162.775,54.8 164.075,54.8 164.55,55.275 164.55,56.125 164.75,56.325 165.25,56.325
  region net HDMI_PVDD: 201.8,24.675 201.8,25.55 201.3,26.05 199.075,26.05 198.95,26.175 197.45,26.175 197.45,25.875 198.95,25.875 199.225,25.6 199.225,25.275 199.275,25.225 199.65,25.225 199.9,24.975 200.5,24.975 200.8,24.675
  region net NetDA1_35: 240.6,59.15 237.95,59.15 237.725,59.375 237.725,60.25 237.55,60.425 236.35,60.425 236.35,57.125 237.55,57.125 237.55,57.975 237.971,58.396 240.6,58.391
  region net HDMI_VREF: 190.825,20.5 190.55,20.775 190.075,20.775 189.9,20.95 189.9,24.35 189.6,24.35 189.6,20.987 189.388,20.775 189.25,20.775 189.25,19.875 190.25,19.875 190.525,20.15 190.825,20.15
  region net NetDA1_21: 244.55,62.3 244.55,65.075 245,65.525 245.45,65.525 245.45,68.825 244.2,68.825 244.2,62.3
  region net NetDA1_22: 244.05,62.3 244.05,68.65 243.875,68.825 242.675,68.825 242.675,65.525 243.125,65.525 243.625,65.025 243.625,62.3
  region net NetDA1_8: 247.65,58.9 247.65,59.65 250.325,59.65 250.5,59.825 250.5,60.225 250.325,60.4 247.65,60.4 247.65,60.65 250.375,60.65 250.85,61.125 255.425,61.125 255.425,58.175 251.775,58.175 251.05,58.9
  pour cut-out: 12.5,69.925 18.5,69.925 18.5,64.425 12.5,64.425
  pour cut-out: 9.75,59.45 15.75,59.45 15.75,53.95 9.75,53.95
  pour cut-out: 4.525,33.775 4.525,40.775 11.65,40.775 11.65,33.775
  pour cut-out: 163.825,54.41 159.825,54.41 159.825,58.45 163.825,58.45
  pour cut-out: 248.4,65.135 244.4,65.135 244.4,69.175 248.4,69.175
  pour cut-out: 243.725,65.135 239.725,65.135 239.725,69.175 243.725,69.175
  pour cut-out: 237.4,56.735 233.4,56.735 233.4,60.775 237.4,60.775
GND+PWR1:
  region net NetC80_2: 89.875,52.625 87.8,54.7 49.2,54.7 47.225,52.725 47.225,47.375 52.45,47.375 52.45,49.65 53.925,51.125 83.025,51.125 84.575,49.575 84.575,47.375 89.875,47.375
BOTTOM:
  rectangle net AGND: 3.1,22.725 5.075,27.125
  rectangle net PVIN: 256.675,12.1 268.275,17.875
  rectangle net +CPU_VDD: 253.875,45.675 255.6,52.475
  rectangle net +CPU_VDD: 251.925,45.525 253.625,52.375
  rectangle net HUB1_USB3_PWR: 166.4,21.6 168.825,22.6
  rectangle net HUB2_USB3_PWR: 78.625,21.6 81.25,22.6
  rectangle net HUB2_USB4_PWR: 54.975,21.6 57.85,22.6
  rectangle net HUB2_USB2_PWR: 99.7,21.6 102.8,22.6
  rectangle net HUB1_USB4_PWR: 146.55,20.65 149.525,21.65
  rectangle net USB3_PWR: 161.975,21.85 165.802,22.35
  rectangle net USB5_PWR: 116.975,21.85 121.425,22.35
  rectangle net HUB1_USB2_PWR: 191.575,17.147 194.005,18.15
  rectangle net VIN2: 18,19.075 23.3,26.875
  pour cut-out: 3.5,85.8 cw(c2,85.8) 2,84.3 cw(c2,85.8) 0.5,85.8 cw(c2,85.8) 2,87.3 cw(c2,85.8)
  pour cut-out: 284.35,4.925 cw(c282.85,4.925) 282.85,3.425 cw(c282.85,4.925) 281.35,4.925 cw(c282.85,4.925) 282.85,6.425 cw(c282.85,4.925)
  region net PVIN: 10.9,26.5 16.175,26.5 17,25.675 17,21.25 16.425,20.675 16.425,14.2 16.725,13.9 33.35,13.9 33.35,8.925 13.375,8.925 11.925,10.375 11.925,19.85 11.1,20.675 9.4,20.675 9.4,27.1 10.3,27.1
  region net NetC191_2: 243.9,28.975 243.9,30.175 243.525,30.55 241.425,30.55 241.1,30.225 241.1,28.875 243.8,28.875
  region net VIN2+: 22.525,51.925 23.025,51.425 23.025,32.25 19.55,32.25 19.1,32.7 19.1,51.425 19.6,51.925
  region net VIN2-: 24.128,51.925 23.628,51.425 23.628,32.25 27.103,32.25 27.553,32.7 27.553,51.425 27.053,51.925
  region net VIN1-: 261.3,51.3 261.3,31.925 261.625,31.6 265.075,31.6 265.675,32.2 265.675,34.3 266.125,34.75 267.85,34.75 268.35,34.25 268.35,29.825 267.7,29.175 259.575,29.175 258.075,30.675 258.075,51.3
  region net VIN1+: 261.975,51.275 265.525,51.275 265.9,50.9 265.9,36.35 265.05,35.5 265.05,32.425 264.675,32.05 262.25,32.05 261.975,32.325
  region net VIN1: 265.2,26.7 265.2,19.85 265.2,18.725 259.925,18.725 259.925,26.7
  region: 161.975,22.35
  pour cut-out: 64.5,86.75 64.5,52.675 42.1,52.675 42.1,86.75
  pour cut-out: 95.475,86.75 95.475,52.675 73.075,52.675 73.075,86.75
  pour cut-out: 126.275,86.75 126.275,52.675 103.875,52.675 103.875,86.75
GND1 (plane layer: these items are gaps in the copper):
  lines w0.4: 0,37.3 14.225,37.3 18.375,41.45 18.375,51.575 19.2,52.4 26.5,52.4 27.5,51.4 27.5,27.65 32.25,22.9 40.25,22.9 41.65,21.5 44.825,18.325 163.375,18.325 165.275,16.425 178.7,16.425 180.525,18.25 185.45,18.25 186.525,17.175 188.05,15.65 200.65,15.65 203.325,18.325 257.875,18.325 259.7,20.15 259.7,23.4 259.7,28.8 257.875,30.625 257.875,51.5 285,51.5
  lines w0.7: 196.8,2.8 196.8,5.45 197.55,6.2 266.6,6.2 272.025,11.625 272.025,14.8 277.013,19.788 285,19.788
POWER1 (plane layer: these items are gaps in the copper):
  lines w0.2: 141.216,50.35 141.216,49.409 141.825,48.8 142.4,48.8 143.625,47.575 148.075,47.575 149.35,46.3 149.35,45.55 151.625,43.275 174.5,43.275 177.7,40.075 187.875,40.075 188.6,39.35 208.724,39.35 210.5,37.574 223.451,37.574 226.775,34.25 228.3,34.25 235,27.55 245.775,27.55 248.775,30.55 248.775,33 248.061,33.714 244.175,33.714 ; 169.474,81.775 169.474,84.599 170.775,85.9 178.85,85.9 179.4,85.35 179.4,81.925 ; 175.275,72.585 173.365,72.585 173.125,72.825 173.125,81.4 173.65,81.925 175.275,81.925 ; 177.025,68.6 183.15,68.6 186.1,71.55 186.1,76.325 180.656,81.769 180.5,81.925 178.775,81.925 175.275,81.925 ; 177.875,81.923 177.875,71.85 177.025,71 177.025,69.675 ; 233.95,35.221 232.154,35.221 230.95,36.425 228.625,36.425 224.275,40.775 222.45,40.775 220.875,42.35 193.745,42.35 190.12,45.975 178.254,45.975 177.025,47.204 177.025,69.675 ; 148.675,49.725 148.025,49.075 145.325,49.075 144.05,50.35 131.9,50.35 130.925,51.325 130.925,64.5 129.625,65.8 129.625,67.5 131.95,69.825 152.45,69.825 153.15,69.125 153.3,68.975 153.3,66.2 152.7,65.6 149.125,65.6 148.675,65.15 148.675,49.725 ; 148.675,49.725 157.575,49.725 161.475,53.625 169.6,61.75 169.6,69.95 ; 165.35,81.775 163.5,81.775 161.075,79.35 161.075,70.75 161.875,69.95 166.95,69.95 ; 165.35,81.775 169.488,81.775 170.85,80.413 170.85,71.2 169.6,69.95 ; 165.35,81.775 166.156,81.775 166.156,80.969 166.425,80.7 167.525,80.7 168.7,79.525 168.7,73 167.881,72.181 166.95,71.25 166.95,69.95 ; 166.95,69.95 169.6,69.95 ; 175.275,81.925 175.275,70.275 175.875,69.675 177.025,69.675 ; 214.737,62.463 215.513,62.463 225.687,62.463 227.05,61.1 227.05,58.525 227.95,57.625 229.45,57.625 233.35,61.525 233.35,69.5 238.65,74.8 ; 214.737,62.463 214.2,63 214.2,63.45 212.8,64.85 206.875,64.85 206.025,65.7 206.025,68.125 203.3,70.85 199.4,70.85 197.375,72.875 195.375,72.875 193.45,74.8 193.45,80.55 199.35,86.45 233.275,86.45 238.65,81.075 238.65,74.8 ; 214.737,62.463 214.737,60.962 214.275,60.5 213.3,60.5 213.05,60.25 213.05,57.775 213.175,57.65 216.05,57.65 216.425,57.275 216.425,50.775 217.55,49.65 235.85,49.65 237.668,51.468 237.668,57.018 237.668,60.243 238.6,61.175 238.6,63.875 240.625,65.9 240.625,72.825 238.65,74.8 ; 233.95,33.325 233.95,36.9 236.2,39.15 242.075,39.15 244.175,37.05 244.175,29.8 243.812,29.437 237.837,29.437 233.95,33.325
  lines w0.4: 0,68.199 0.001,68.2 2,68.2 2.575,67.625 2.575,56.325 5.865,53.035 5.865,38.185 6.75,37.3 14.225,37.3 18.375,41.45 18.375,51.575 19.2,52.4 26.5,52.4 27.5,51.4 27.5,27.65 32.25,22.9 40.25,22.9 41.65,21.5 44.825,18.325 163.375,18.325 165.275,16.425 178.7,16.425 180.525,18.25 185.45,18.25 186.525,17.175 188.05,15.65 200.65,15.65 203.325,18.325 257.875,18.325 259.7,20.15 259.7,23.4 259.7,28.8 257.875,30.625 257.875,51.5 285,51.5
  lines w0.7: 196.8,2.8 196.8,5.45 197.55,6.2 266.6,6.2 272.025,11.625 272.025,14.8 277.013,19.788 285,19.788
POWER2 (plane layer: these items are gaps in the copper):
  lines w0.2: 153.847,87.8 153.847,72.249 151.073,69.475 142.45,69.475 141.5,68.525 140.9,68.525 140.05,69.375 139.125,69.375 138.25,68.5 137.65,68.5 136.325,69.825 132.175,69.825 131.05,68.7 131.05,50.475 132.275,49.25 140.075,49.25 141.25,50.425 150.05,50.425 152.65,53.025 157.925,53.025 159.9,55 159.9,55.775 159.9,67.875 156.679,71.096 156.679,82.729 159.8,85.85 180.375,85.85 180.75,85.475 180.75,84.325 181.15,83.925 181.85,83.925 182.321,84.396 182.321,86.679 182.321,87.792 ; 168.9,72.734 171.359,72.734 172.15,73.525 172.15,81.125 171.325,81.95 168.9,81.95 ; 181.25,82.025 182.975,82.025 ; 198.853,87.8 198.853,82.95 ; 247.851,59.228 247.851,68.6 ; 251.176,87.8 251.175,87.799 251.175,68.9 250.875,68.6 246.525,68.6 246.125,69 246.125,73.925 237.1,82.95 198.853,82.95 ; 168.9,81.95 166.175,81.95 160.05,81.95 159.7,81.6 159.7,78.175 160.975,76.9 160.975,70.925 161.95,69.95 168.134,69.95 168.9,70.716 168.9,81.95 ; 182.975,82.025 183.675,81.325 183.675,72.35 181.275,69.95 176.625,69.95 173.95,72.625 173.95,79.225 176.75,82.025 182.975,82.025 ; 198.853,82.95 198.853,69.722 205.325,63.25 213.225,63.25 213.825,63.25 ; 213.825,63.25 227.2,63.25 231.225,59.225 254.45,59.225 255.508,58.167 255.508,45.808 254.85,45.15 249.45,45.15 245.5,49.1 244.2,49.1 242.645,47.545 235.145,47.545 231.925,44.325 215.6,44.325 213.825,46.1 213.825,63.25 ; 186.675,21.725 187.625,20.775 188.25,20.15 196.325,20.15 198.675,22.5 198.675,33.65 197.075,35.25 188.15,35.25 186.675,33.775 186.675,21.725 ; 218.6,53.9 218.875,53.625 224.425,53.625 226.55,51.5 228.5,51.5 228.875,51.875 228.875,53.025 228.6,53.3 227.175,53.3 224.425,56.05 218.85,56.05 218.6,55.8 218.6,53.9
  lines w0.4: 0,68.2 2,68.2 2.577,67.622 2.577,56.323 5.867,53.033 5.867,38.185 6.752,37.3 14.225,37.3 18.375,41.45 18.375,51.575 19.2,52.4 26.5,52.4 27.5,51.4 27.5,27.65 32.25,22.9 40.25,22.9 41.65,21.5 44.825,18.325 163.375,18.325 165.275,16.425 178.7,16.425 180.525,18.25 185.45,18.25 186.525,17.175 188.05,15.65 200.65,15.65 203.325,18.325 257.875,18.325 259.7,20.15 259.7,23.4 259.7,28.8 257.875,30.625 257.875,51.5 285,51.5
  lines w0.7: 196.8,2.8 196.8,5.45 197.55,6.2 266.6,6.2 272.025,11.625 272.025,14.8 277.013,19.788 285,19.788
GND2 (plane layer: these items are gaps in the copper):
  lines w0.4: 0,37.3 14.225,37.3 18.375,41.45 18.375,51.575 19.2,52.4 26.5,52.4 27.5,51.4 27.5,27.65 32.25,22.9 40.25,22.9 41.65,21.5 44.825,18.325 163.375,18.325 165.275,16.425 178.7,16.425 180.525,18.25 185.45,18.25 186.525,17.175 188.05,15.65 200.65,15.65 203.325,18.325 257.875,18.325 259.7,20.15 259.7,23.4 259.7,28.8 257.875,30.625 257.875,51.5 285,51.5
  lines w0.7: 196.8,2.8 196.8,5.45 197.55,6.2 266.6,6.2 272.025,11.625 272.025,14.8 277.013,19.788 285,19.788

## Silkscreen, mask and mechanical layers (free items; w line width, h text height)
Silkscreen Top:
  rectangle: 45.15,72.4 67.15,80.4
  text "MOTHERBOARD LS1021 V1.0" at 34.8,82.625 h2
Silkscreen Bottom:
  region: 270.225,55.825 270.225,33.825 278.225,33.825 278.225,55.825
  lines w0.13: 18.825,0 18.825,12 27.825,12 27.825,0 ; 18.825,90.6 18.825,78.6 27.825,78.6 27.825,90.6 ; 257.175,0 257.175,12 266.175,12 266.175,0 ; 257.175,90.6 257.175,78.6 266.175,78.6 266.175,90.6
  text "MOTHERBOARD LS1021 V1.0" at 281.05,24.175 h2 r270

## Text inside footprints (layer, text, board x,y; h text height)
X13: Silkscreen Bottom "1" at 263.476,37.664 h1; Silkscreen Bottom "2" at 260.401,37.664 h1; Silkscreen Bottom "2" at 260.401,51.789 h1; Silkscreen Bottom "1" at 263.476,51.789 h1
X14: Silkscreen Bottom "1" at 25.126,37.654 h1; Silkscreen Bottom "2" at 22.051,37.654 h1; Silkscreen Bottom "2" at 22.051,51.779 h1; Silkscreen Bottom "1" at 25.126,51.779 h1